# Allegro board 8880F5-0827_6.brd (continued)
## Placement (name value [footprint] x y rotation side) (continued)
NOREF#821  -  []  66.26 287.84 90 top
NOREF#822  -  []  264.72 272.65 90 top
NOREF#823  -  []  300.11 273.24 90 top
NOREF#824  -  []  385.61 208.66 90 top
NOREF#825  -  []  468.85 257.36 90 top
NOREF#826  -  []  306.27 216.63 90 top
NOREF#827  -  []  376.15 192.88 90 top
NOREF#828  -  []  391.96 131.89 0 top
NOREF#829  -  []  425.7 144.98 90 top
NOREF#830  -  []  389.7 209.36 0 top
NOREF#831  -  []  388.43 163.64 0 top
NOREF#832  -  []  311.69 288.91 90 top
NOREF#833  -  []  309.51 193.69 0 top
NOREF#834  -  []  201.23 186.57 90 top
NOREF#835  -  []  339.46 288.86 90 top
NOREF#836  -  []  478.57 277.31 90 top
NOREF#837  -  []  209.23 191.22 90 top
NOREF#838  -  []  404.15 273.11 0 top
NOREF#839  -  []  201.23 204.09 90 top
NOREF#840  -  []  167.7 219.75 90 top
NOREF#841  -  []  388.66 139.89 0 top
NOREF#842  -  []  477.24 195.66 0 top
NOREF#843  -  []  184.47 173.11 90 top
NOREF#844  -  []  106.29 174.19 90 top
NOREF#845  -  []  184.47 260.9 90 top
NOREF#846  -  []  241.6 296.61 0 top
NOREF#847  -  []  317.05 288.86 0 top
NOREF#848  -  []  167.7 204.09 90 top
NOREF#849  -  []  306.71 131.64 0 top
NOREF#850  -  []  167.7 192.32 90 top
NOREF#851  -  []  250.49 224.74 90 top
NOREF#852  -  []  328.96 224.72 0 top
NOREF#853  -  []  217.41 273.24 0 top
NOREF#854  -  []  317.83 197.63 0 top
NOREF#855  -  []  511.59 293.82 90 top
NOREF#856  -  []  343.83 231.63 90 top
NOREF#857  -  []  259.59 133.29 90 top
NOREF#858  -  []  298.13 274.06 90 top
NOREF#859  -  []  119.95 195.15 0 top
NOREF#860  -  []  115.36 235.64 0 top
NOREF#861  -  []  298.16 177.06 0 top
NOREF#862  -  []  314.2 145.6 90 top
NOREF#863  -  []  336.77 223.82 90 top
NOREF#864  -  []  201.66 186.02 90 top
NOREF#865  -  []  450.03 182.17 0 top
NOREF#866  -  []  373.68 265.11 0 top
NOREF#867  -  []  272.24 243.59 90 top
NOREF#868  -  []  209.23 205.19 90 top
NOREF#869  -  []  217.41 273.24 90 top
NOREF#870  -  []  461.96 210.36 0 top
NOREF#871  -  []  342.68 223.52 90 top
NOREF#872  -  []  377.48 289.17 90 top
NOREF#873  -  []  407.77 255.47 0 top
NOREF#874  -  []  262.04 164.72 0 top
NOREF#875  -  []  248.96 224.74 0 top
NOREF#876  -  []  343.63 165.04 90 top
NOREF#877  -  []  184.47 217.55 90 top
NOREF#878  -  []  155.57 289.11 90 top
NOREF#879  -  []  250.17 165.04 90 top
NOREF#880  -  []  339.33 264.35 90 top
NOREF#881  -  []  182.57 158.5 0 top
NOREF#882  -  []  249.6 164.74 90 top
NOREF#883  -  []  459.28 168.33 90 top
NOREF#884  -  []  222.11 240.71 0 top
NOREF#885  -  []  333.4 264.35 90 top
NOREF#886  -  []  118.96 174.04 90 top
NOREF#887  -  []  408.37 258.64 90 top
NOREF#888  -  []  473.79 234.49 90 top
NOREF#889  -  []  259.33 265.55 0 top
NOREF#890  -  []  275.3 155.38 0 top
NOREF#891  -  []  167.7 165.4 90 top
NOREF#892  -  []  351.04 185.5 0 top
NOREF#893  -  []  321.82 227.13 90 top
NOREF#894  -  []  410.52 241.11 0 top
NOREF#895  -  []  251.62 265.55 0 top
NOREF#896  -  []  417.7 146.88 0 top
NOREF#897  -  []  422.7 163.64 0 top
NOREF#898  -  []  253.53 140.14 0 top
NOREF#899  -  []  369.38 224.6 0 top
NOREF#900  -  []  272.25 182.32 90 top
NOREF#901  -  []  209.23 243.88 90 top
NOREF#902  -  []  336.45 164.74 0 top
NOREF#903  -  []  302.32 144.15 0 top
NOREF#904  -  []  405.5 225.11 90 top
NOREF#905  -  []  260.83 174.63 90 top
NOREF#906  -  []  192.47 175.56 90 top
NOREF#907  -  []  313.22 288.41 90 top
NOREF#908  -  []  127.55 219.13 90 top
NOREF#909  -  []  254.29 205.56 90 top
NOREF#910  -  []  121.9 238.84 0 top
NOREF#911  -  []  184.47 165.4 90 top
NOREF#912  -  []  175.7 182.06 90 top
NOREF#913  -  []  175.8 133.97 90 top
NOREF#914  -  []  468.01 179.15 0 top
NOREF#915  -  []  192.47 216.45 90 top
NOREF#916  -  []  251.05 264.65 90 top
NOREF#917  -  []  342.04 224.74 0 top
NOREF#918  -  []  175.7 137.37 90 top
NOREF#919  -  []  376.23 209.11 0 top
NOREF#920  -  []  406.65 287.22 90 top
NOREF#921  -  []  254.29 204.35 90 top
NOREF#922  -  []  310.73 186.66 0 top
NOREF#923  -  []  166.06 257.62 90 top
NOREF#924  -  []  185.2 292.55 90 top
NOREF#925  -  []  98.53 238.84 0 top
NOREF#926  -  []  184.89 172.56 90 top
NOREF#927  -  []  271.04 244.23 0 top
NOREF#928  -  []  351.83 288.91 90 top
NOREF#929  -  []  352.24 249.18 90 top
NOREF#930  -  []  300.01 288.31 90 top
NOREF#931  -  []  412.88 139.89 0 top
NOREF#932  -  []  184.47 147.28 90 top
NOREF#933  -  []  247.25 265.55 0 top
NOREF#934  -  []  378.75 224.05 90 top
NOREF#935  -  []  184.47 233.47 90 top
NOREF#936  -  []  352.25 242.32 90 top
NOREF#937  -  []  253.53 140.14 0 top
NOREF#938  -  []  371.48 249.11 0 top
NOREF#939  -  []  201.23 233.47 90 top
NOREF#940  -  []  377.23 224.65 90 top
NOREF#941  -  []  473.79 196.21 0 top
NOREF#942  -  []  352.55 189.5 0 top
NOREF#943  -  []  471.21 168.33 90 top
NOREF#944  -  []  404.15 289.12 0 top
NOREF#945  -  []  410.27 257.37 0 top
NOREF#946  -  []  383.01 139.89 0 top
NOREF#947  -  []  246.23 173.13 0 top
NOREF#948  -  []  230.43 249.52 0 top
NOREF#949  -  []  463.11 186.77 0 top
NOREF#950  -  []  339.65 265.86 90 top
NOREF#951  -  []  380.59 255.21 0 top
NOREF#952  -  []  331.38 163.52 90 top
NOREF#953  -  []  411.52 146.33 90 top
NOREF#954  -  []  471.21 219.38 90 top
NOREF#955  -  []  112.41 214.71 0 top
NOREF#956  -  []  385.19 224.85 0 top
NOREF#957  -  []  393.19 271.21 90 top
NOREF#958  -  []  310.41 248.88 90 top
NOREF#959  -  []  310.43 183.09 0 top
NOREF#960  -  []  209.23 230.17 90 top
NOREF#961  -  []  390.94 273.16 90 top
NOREF#962  -  []  116.01 214.71 0 top
NOREF#963  -  []  247.25 204.35 90 top
NOREF#964  -  []  218.16 248.49 0 top
NOREF#965  -  []  251.62 264.35 90 top
NOREF#966  -  []  397.57 131.89 0 top
NOREF#967  -  []  383.09 257.11 0 top
NOREF#968  -  []  263.31 224.72 0 top
NOREF#969  -  []  247.25 205.55 0 top
NOREF#970  -  []  383.09 224.85 0 top
NOREF#971  -  []  201.23 231.27 90 top
NOREF#972  -  []  337.9 186.99 0 top
NOREF#973  -  []  297.71 276.09 0 top
NOREF#974  -  []  387.8 210.63 90 top
NOREF#975  -  []  415.6 146.88 0 top
NOREF#976  -  []  402.14 146.88 0 top
NOREF#977  -  []  182.82 243.9 90 top
NOREF#978  -  []  423.45 146.93 90 top
NOREF#979  -  []  318.32 131.64 0 top
NOREF#980  -  []  420.15 131.34 90 top
NOREF#981  -  []  468.01 214.96 0 top
NOREF#982  -  []  172.08 291.65 90 top
NOREF#983  -  []  223.56 173.86 90 top
NOREF#984  -  []  259.33 205.55 0 top
NOREF#985  -  []  300.36 248.49 0 top
NOREF#986  -  []  275.12 271.65 90 top
NOREF#987  -  []  237.98 225.04 90 top
NOREF#988  -  []  263.95 223.52 90 top
NOREF#989  -  []  272.24 183.59 90 top
NOREF#990  -  []  330.74 164.74 0 top
NOREF#991  -  []  374.34 210.38 90 top
NOREF#992  -  []  250.5 288.86 0 top
NOREF#993  -  []  383.09 257.11 0 top
NOREF#994  -  []  106.76 222.88 0 top
NOREF#995  -  []  460.93 225.6 90 top
NOREF#996  -  []  388.35 217.36 0 top
NOREF#997  -  []  184.47 204.09 90 top
NOREF#998  -  []  453.88 239.34 0 top
NOREF#999  -  []  397.38 163.64 90 top
NOREF#1000  -  []  167.7 241.43 0 top
NOREF#1001  -  []  375.73 196.98 90 top
NOREF#1002  -  []  119.95 187.53 0 top
NOREF#1003  -  []  375.73 194.78 90 top
NOREF#1004  -  []  322.62 139.64 0 top
NOREF#1005  -  []  284.79 272.65 90 top
NOREF#1006  -  []  118.7 188.08 0 top
NOREF#1007  -  []  247.89 264.35 90 top
NOREF#1008  -  []  450.03 182.17 0 top
NOREF#1009  -  []  322.23 173.13 90 top
NOREF#1010  -  []  230.41 186.34 90 top
NOREF#1011  -  []  120.24 171.1 0 top
NOREF#1012  -  []  555.66 300.54 90 top
NOREF#1013  -  []  122.15 187.53 0 top
NOREF#1014  -  []  167.7 138.47 90 top
NOREF#1015  -  []  351.58 288.86 0 top
NOREF#1016  -  []  317.57 209.63 90 top
NOREF#1017  -  []  380.59 222.95 0 top
NOREF#1018  -  []  165.8 171.96 90 top
NOREF#1019  -  []  386.53 148.15 90 top
NOREF#1020  -  []  217.41 213.24 0 top
NOREF#1021  -  []  295.96 248.49 0 top
NOREF#1022  -  []  271.04 189.82 0 top
NOREF#1023  -  []  303.84 288.86 0 top
NOREF#1024  -  []  383.73 202.38 90 top
NOREF#1025  -  []  177.33 133.47 90 top
NOREF#1026  -  []  312.25 211.67 90 top
NOREF#1027  -  []  424.47 163.09 90 top
NOREF#1028  -  []  295.96 188.49 0 top
NOREF#1029  -  []  379 288.57 90 top
NOREF#1030  -  []  167.7 260.9 90 top
NOREF#1031  -  []  230.41 183.09 90 top
NOREF#1032  -  []  182.57 144.78 90 top
NOREF#1033  -  []  199.33 226.57 0 top
NOREF#1034  -  []  351.04 189.82 0 top
NOREF#1035  -  []  310.73 189.2 0 top
NOREF#1036  -  []  175.7 175.56 90 top
NOREF#1037  -  []  199.33 185.42 90 top
NOREF#1038  -  []  258.2 246.67 0 top
NOREF#1039  -  []  475.04 239.09 0 top
NOREF#1040  -  []  167.7 217.55 90 top
NOREF#1041  -  []  184.89 240.88 90 top
NOREF#1042  -  []  413.96 182.44 90 top
NOREF#1043  -  []  334.29 264.35 90 top
NOREF#1044  -  []  415.61 185.72 90 top
NOREF#1045  -  []  306.92 154.05 0 top
NOREF#1046  -  []  230.43 188.88 0 top
NOREF#1047  -  []  375.22 163.39 0 top
NOREF#1048  -  []  238.45 257.01 0 top
NOREF#1049  -  []  459.28 236.14 90 top
NOREF#1050  -  []  254.29 205.55 0 top
NOREF#1051  -  []  192.47 259.8 90 top
NOREF#1052  -  []  343.31 164.72 0 top
NOREF#1053  -  []  303.56 245.29 90 top
NOREF#1054  -  []  275.28 290.13 90 top
NOREF#1055  -  []  390.94 289.17 90 top
NOREF#1056  -  []  263.95 164.74 90 top
NOREF#1057  -  []  247.25 265.55 0 top
NOREF#1058  -  []  201.49 149.73 90 top
NOREF#1059  -  []  230.43 246.34 90 top
NOREF#1060  -  []  310.41 246.34 90 top
NOREF#1061  -  []  209.33 228.97 90 top
NOREF#1062  -  []  225.83 264.31 0 top
NOREF#1063  -  []  412.62 249.11 0 top
NOREF#1064  -  []  250.73 205.55 0 top
NOREF#1065  -  []  175.7 177.76 90 top
NOREF#1066  -  []  377.32 163.39 0 top
NOREF#1067  -  []  352.55 242.64 0 top
NOREF#1068  -  []  229.51 253.69 0 top
NOREF#1069  -  []  284.36 280.1 0 top
NOREF#1070  -  []  262.04 224.72 0 top
NOREF#1071  -  []  272.25 242.32 90 top
NOREF#1072  -  []  319.33 236.03 0 top
NOREF#1073  -  []  165.8 158.5 90 top
NOREF#1074  -  []  261.82 290.13 90 top
NOREF#1075  -  []  106.36 190.55 0 top
NOREF#1076  -  []  412.79 209.06 90 top
NOREF#1077  -  []  483.04 195.66 0 top
NOREF#1078  -  []  106.03 217.88 90 top
NOREF#1079  -  []  253.72 265.86 90 top
NOREF#1080  -  []  424.55 146.88 90 top
NOREF#1081  -  []  310.43 193.37 90 top
NOREF#1082  -  []  314.55 286.96 0 top
NOREF#1083  -  []  237.2 296.61 0 top
NOREF#1084  -  []  412.37 265.37 0 top
NOREF#1085  -  []  93.76 287.84 90 top
NOREF#1086  -  []  410.78 131.89 0 top
NOREF#1087  -  []  396.03 180.15 0 top
NOREF#1088  -  []  392.73 171.64 0 top
NOREF#1089  -  []  407.71 217.61 0 top
NOREF#1090  -  []  334.29 265.56 90 top
NOREF#1091  -  []  175.7 243.88 90 top
NOREF#1092  -  []  112.05 246.78 90 top
NOREF#1093  -  []  327.57 204.65 90 top
NOREF#1094  -  []  404.15 241.11 0 top
NOREF#1095  -  []  184.47 255.15 90 top
NOREF#1096  -  []  371.48 241.11 0 top
NOREF#1097  -  []  380.59 287.22 0 top
NOREF#1098  -  []  182.57 158.5 90 top
NOREF#1099  -  []  453.88 230.2 0 top
NOREF#1100  -  []  165.8 199.39 90 top
NOREF#1101  -  []  383.07 163.44 90 top
NOREF#1102  -  []  472.86 166.93 90 top
NOREF#1103  -  []  352.25 181.69 0 top
NOREF#1104  -  []  283.91 273.37 90 top
NOREF#1105  -  []  211.11 160.4 90 top
NOREF#1106  -  []  192.57 215.25 90 top
NOREF#1107  -  []  221.56 242.89 0 top
NOREF#1108  -  []  478.57 274.77 90 top
NOREF#1109  -  []  377.32 171.39 0 top
NOREF#1110  -  []  167.7 192.32 90 top
NOREF#1111  -  []  302.11 240.71 0 top
NOREF#1112  -  []  320.83 194.63 0 top
NOREF#1113  -  []  470.79 128.27 0 top
NOREF#1114  -  []  400.24 202.38 90 top
NOREF#1115  -  []  339.33 265.55 0 top
NOREF#1116  -  []  306.83 269.63 90 top
NOREF#1117  -  []  217.71 216.09 0 top
NOREF#1118  -  []  250.73 264.35 90 top
NOREF#1119  -  []  462.06 277.31 90 top
NOREF#1120  -  []  331.22 193.63 0 top
NOREF#1121  -  []  118.45 226.62 90 top
NOREF#1122  -  []  296.96 180.71 0 top
NOREF#1123  -  []  184.47 206.29 90 top
NOREF#1124  -  []  420.62 239.21 90 top
NOREF#1125  -  []  184.47 163.2 90 top
NOREF#1126  -  []  377.23 273.11 0 top
NOREF#1127  -  []  417.2 163.64 0 top
NOREF#1128  -  []  339.89 288.31 90 top
NOREF#1129  -  []  166.06 175.58 90 top
NOREF#1130  -  []  418.37 241.16 90 top
NOREF#1131  -  []  400.85 265.37 0 top
NOREF#1132  -  []  470.71 183.57 90 top
NOREF#1133  -  []  423.2 146.88 0 top
NOREF#1134  -  []  263.2 232.26 90 top
NOREF#1135  -  []  256.45 164.74 0 top
NOREF#1136  -  []  465.45 292.92 90 top
NOREF#1137  -  []  331.54 252.73 90 top
NOREF#1138  -  []  390.69 241.11 0 top
NOREF#1139  -  []  272.25 243.59 90 top
NOREF#1140  -  []  94.93 190.55 0 top
NOREF#1141  -  []  419.9 288.67 90 top
NOREF#1142  -  []  396.55 273.11 0 top
NOREF#1143  -  []  403.41 209.61 0 top
NOREF#1144  -  []  117.26 190.55 90 top
NOREF#1145  -  []  223.56 245.29 90 top
NOREF#1146  -  []  478.57 259.9 90 top
NOREF#1147  -  []  331.05 264.65 90 top
NOREF#1148  -  []  110.21 222.33 0 top
NOREF#1149  -  []  209.49 168.6 90 top
NOREF#1150  -  []  120.21 178.64 0 top
NOREF#1151  -  []  167.7 231.27 90 top
NOREF#1152  -  []  319.15 296.86 0 top
NOREF#1153  -  []  201.23 229.07 90 top
NOREF#1154  -  []  369.63 289.12 0 top
NOREF#1155  -  []  397.8 179.6 90 top
NOREF#1156  -  []  400.54 188.15 0 top
NOREF#1157  -  []  453.88 214.96 0 top
NOREF#1158  -  []  383.09 257.11 0 top
NOREF#1159  -  []  290.64 288.86 0 top
NOREF#1160  -  []  410.52 273.37 0 top
NOREF#1161  -  []  392.04 241.11 90 top
NOREF#1162  -  []  317.05 288.86 0 top
NOREF#1163  -  []  115.61 191.95 90 top
NOREF#1164  -  []  110.21 214.71 0 top
NOREF#1165  -  []  249.6 224.74 90 top
NOREF#1166  -  []  272.25 244.86 90 top
NOREF#1167  -  []  184.47 200.54 0 top
NOREF#1168  -  []  252.51 205.56 90 top
NOREF#1169  -  []  408.02 287.22 0 top
NOREF#1170  -  []  451.64 179.06 0 top
NOREF#1171  -  []  473.6 162.62 90 top
NOREF#1172  -  []  127.3 235.64 90 top
NOREF#1173  -  []  495.08 259.9 90 top
NOREF#1174  -  []  456.08 171.53 0 top
NOREF#1175  -  []  230.73 193.69 0 top
NOREF#1176  -  []  394.05 239.21 0 top
NOREF#1177  -  []  397.38 146.88 90 top
NOREF#1178  -  []  182.82 203.01 90 top
NOREF#1179  -  []  352.24 189.18 90 top
NOREF#1180  -  []  230.73 253.69 0 top
NOREF#1181  -  []  342.04 164.72 0 top
NOREF#1182  -  []  124.35 195.15 0 top
NOREF#1183  -  []  118.7 195.7 0 top
NOREF#1184  -  []  229.51 249.2 0 top
NOREF#1185  -  []  330.17 163.82 90 top
NOREF#1186  -  []  313.98 131.09 90 top
NOREF#1187  -  []  201.91 172.56 90 top
NOREF#1188  -  []  412.79 209.16 90 top
NOREF#1189  -  []  182.82 148.4 90 top
NOREF#1190  -  []  369.38 241.11 0 top
NOREF#1191  -  []  407.67 129.99 90 top
NOREF#1192  -  []  259.33 264.35 90 top
NOREF#1193  -  []  229.21 246.34 0 top
NOREF#1194  -  []  257.9 186.35 90 top
NOREF#1195  -  []  251.94 204.65 90 top
NOREF#1196  -  []  119.7 231.22 0 top
NOREF#1197  -  []  112.16 238.84 0 top
NOREF#1198  -  []  317.66 164.72 0 top
NOREF#1199  -  []  465.45 273.87 90 top
NOREF#1200  -  []  383.83 194.68 90 top
NOREF#1201  -  []  423.61 184.62 90 top
NOREF#1202  -  []  424.98 146.43 90 top
NOREF#1203  -  []  252.51 265.55 0 top
NOREF#1204  -  []  369.38 241.11 0 top
NOREF#1205  -  []  415.61 179.97 0 top
NOREF#1206  -  []  419.64 256.82 90 top
NOREF#1207  -  []  210.86 228.47 90 top
NOREF#1208  -  []  396.55 289.12 0 top
NOREF#1209  -  []  230.41 193.37 90 top
NOREF#1210  -  []  352.24 241.05 90 top
NOREF#1211  -  []  329.6 164.74 90 top
NOREF#1212  -  []  165.8 185.42 90 top
NOREF#1213  -  []  175.8 242.68 90 top
NOREF#1214  -  []  333.72 204.65 90 top
NOREF#1215  -  []  330.49 163.52 90 top
NOREF#1216  -  []  165.8 254 0 top
NOREF#1217  -  []  338.2 246.67 0 top
NOREF#1218  -  []  377.48 273.16 90 top
NOREF#1219  -  []  396.55 289.12 0 top
NOREF#1220  -  []  343.83 171.63 90 top
NOREF#1221  -  []  115.19 128.27 0 top
NOREF#1222  -  []  301.56 242.89 0 top
NOREF#1223  -  []  409.17 249.11 0 top
NOREF#1224  -  []  113.08 129.54 0 top
NOREF#1225  -  []  199.59 158.5 0 top
NOREF#1226  -  []  239.33 243.63 90 top
NOREF#1227  -  []  408.02 271.47 0 top
NOREF#1228  -  []  257.9 246.99 0 top
NOREF#1229  -  []  369.63 273.11 0 top
NOREF#1230  -  []  320.83 254.63 0 top
NOREF#1231  -  []  167.7 132.72 0 top
NOREF#1232  -  []  101.82 271.33 90 top
NOREF#1233  -  []  375.22 163.39 0 top
NOREF#1234  -  []  127.55 184.33 90 top
NOREF#1235  -  []  309.51 246.66 0 top
NOREF#1236  -  []  221.56 231.46 0 top
NOREF#1237  -  []  310.73 249.2 0 top
NOREF#1238  -  []  199.84 175.58 90 top
NOREF#1239  -  []  327.25 265.55 0 top
NOREF#1240  -  []  352.24 244.86 90 top
NOREF#1241  -  []  118.45 239.39 0 top
NOREF#1242  -  []  168.69 292.55 90 top
NOREF#1243  -  []  215.96 237.06 0 top
NOREF#1244  -  []  259.97 264.35 90 top
NOREF#1245  -  []  215.96 248.49 0 top
NOREF#1246  -  []  272.55 241.37 0 top
NOREF#1247  -  []  511.59 276.41 90 top
NOREF#1248  -  []  400.91 207.71 0 top
NOREF#1249  -  []  249.6 163.52 90 top
NOREF#1250  -  []  167.7 255.15 0 top
NOREF#1251  -  []  230.43 187.61 90 top
NOREF#1252  -  []  459.24 175.86 90 top
NOREF#1253  -  []  175.8 215.25 90 top
NOREF#1254  -  []  250.73 265.56 0 top
NOREF#1255  -  []  310.43 187.61 0 top
NOREF#1256  -  []  250.5 288.86 0 top
NOREF#1257  -  []  252.83 205.86 90 top
NOREF#1258  -  []  314.92 144.15 90 top
NOREF#1259  -  []  352.55 185.18 0 top
NOREF#1260  -  []  450.03 225.6 0 top
NOREF#1261  -  []  408.02 239.21 0 top
NOREF#1262  -  []  221.56 190.49 0 top
NOREF#1263  -  []  167.7 229.07 90 top
NOREF#1264  -  []  230.43 248.88 90 top
NOREF#1265  -  []  272.25 249.18 90 top
NOREF#1266  -  []  331.86 192.43 90 top
NOREF#1267  -  []  471.21 219.38 0 top
NOREF#1268  -  []  263.71 288.86 0 top
NOREF#1269  -  []  451.68 186.77 0 top
NOREF#1270  -  []  301.56 179.06 0 top
NOREF#1271  -  []  317.83 257.63 0 top
NOREF#1272  -  []  310.41 247.61 90 top
NOREF#1273  -  []  340.83 234.63 90 top
NOREF#1274  -  []  208.98 264.1 90 top
NOREF#1275  -  []  231.15 159.63 90 top
NOREF#1276  -  []  331.62 265.55 0 top
NOREF#1277  -  []  302.11 180.71 0 top
NOREF#1278  -  []  416.03 179.42 90 top
NOREF#1279  -  []  226.83 209.63 90 top
NOREF#1280  -  []  394.05 223.21 0 top
NOREF#1281  -  []  182.57 212.85 90 top
NOREF#1282  -  []  306.83 209.63 90 top
NOREF#1283  -  []  415.61 181.32 90 top
NOREF#1284  -  []  554.86 298.45 0 top
NOREF#1285  -  []  273.59 272.15 90 top
NOREF#1286  -  []  259.33 205.56 90 top
NOREF#1287  -  []  336.77 225.04 90 top
NOREF#1288  -  []  239.33 183.63 90 top
NOREF#1289  -  []  559.43 297.18 90 top
NOREF#1290  -  []  201.91 145.63 90 top
NOREF#1291  -  []  327.57 264.65 90 top
NOREF#1292  -  []  398.65 257.37 0 top
NOREF#1293  -  []  301.95 290.13 90 top
NOREF#1294  -  []  209.23 222.95 90 top
NOREF#1295  -  []  184.47 229.07 90 top
NOREF#1296  -  []  310.43 187.61 90 top
NOREF#1297  -  []  209.49 182.06 90 top
NOREF#1298  -  []  228.36 202.16 45 top
NOREF#1299  -  []  405.93 240.66 90 top
NOREF#1300  -  []  450.03 166.93 0 top
NOREF#1301  -  []  423.61 188.92 90 top
NOREF#1302  -  []  256.77 225.04 90 top
NOREF#1303  -  []  383.09 289.12 0 top
NOREF#1304  -  []  273.09 288.41 90 top
NOREF#1305  -  []  184.47 149.48 90 top
NOREF#1306  -  []  108.01 222.33 0 top
NOREF#1307  -  []  168.13 254.6 90 top
NOREF#1308  -  []  184.47 206.29 90 top
NOREF#1309  -  []  108.01 195.15 0 top
NOREF#1310  -  []  168.13 145.38 90 top
NOREF#1311  -  []  184.47 159.65 0 top
NOREF#1312  -  []  352.25 185.5 0 top
NOREF#1313  -  []  394.66 258.64 90 top
NOREF#1314  -  []  184.47 187.92 90 top
NOREF#1315  -  []  239.33 176.03 0 top
NOREF#1316  -  []  165.8 131.57 90 top
NOREF#1317  -  []  221.87 295.91 0 top
NOREF#1318  -  []  175.7 264.1 90 top
NOREF#1319  -  []  184.47 178.86 90 top
NOREF#1320  -  []  194.09 187.32 90 top
NOREF#1321  -  []  310.43 188.88 90 top
NOREF#1322  -  []  459.24 219.3 0 top
NOREF#1323  -  []  388.43 146.88 0 top
NOREF#1324  -  []  384.36 131.89 0 top
NOREF#1325  -  []  230.73 253.69 0 top
NOREF#1326  -  []  230.73 247.93 0 top
NOREF#1327  -  []  110.21 195.15 0 top
NOREF#1328  -  []  219.81 273.69 90 top
NOREF#1329  -  []  412.62 273.37 0 top
NOREF#1330  -  []  330.49 224.74 90 top
NOREF#1331  -  []  310.73 187.93 0 top
NOREF#1332  -  []  384.08 209.16 90 top
NOREF#1333  -  []  482.64 235.89 90 top
NOREF#1334  -  []  401.87 194.18 90 top
NOREF#1335  -  []  251.38 224.74 90 top
NOREF#1336  -  []  412.37 257.37 0 top
NOREF#1337  -  []  331.06 165.04 90 top
NOREF#1338  -  []  222.11 192.14 0 top
NOREF#1339  -  []  334.29 204.35 90 top
NOREF#1340  -  []  330.74 224.72 0 top
NOREF#1341  -  []  419.9 240.66 90 top
NOREF#1342  -  []  259.65 264.65 90 top
NOREF#1343  -  []  201.23 233.47 90 top
NOREF#1344  -  []  339.33 205.56 0 top
NOREF#1345  -  []  230.43 193.37 0 top
NOREF#1346  -  []  112.41 195.15 0 top
NOREF#1347  -  []  325.92 131.64 0 top
NOREF#1348  -  []  298.13 274.06 0 top
NOREF#1349  -  []  247.25 205.56 90 top
NOREF#1350  -  []  369.38 224.6 0 top
NOREF#1351  -  []  552.76 299.72 0 top
NOREF#1352  -  []  461.86 187.32 0 top
NOREF#1353  -  []  230.43 254.01 0 top
NOREF#1354  -  []  184.47 200.54 90 top
NOREF#1355  -  []  167.7 242.78 90 top
NOREF#1356  -  []  317.05 288.86 0 top
NOREF#1357  -  []  449.99 217.9 0 top
NOREF#1358  -  []  250.18 242.88 0 top
NOREF#1359  -  []  475.04 239.09 0 top
NOREF#1360  -  []  250.23 132.14 0 top
NOREF#1361  -  []  461.96 217.98 0 top
NOREF#1362  -  []  75.98 273.87 90 top
NOREF#1363  -  []  334.29 265.55 0 top
NOREF#1364  -  []  306.27 156.63 90 top
NOREF#1365  -  []  331.38 224.74 90 top
NOREF#1366  -  []  482.64 192.46 90 top
NOREF#1367  -  []  390.94 224.9 90 top
NOREF#1368  -  []  192.47 205.19 90 top
NOREF#1369  -  []  410.78 131.89 0 top
NOREF#1370  -  []  272.25 189.82 0 top
NOREF#1371  -  []  271.34 183.91 0 top
NOREF#1372  -  []  410.27 257.37 0 top
NOREF#1373  -  []  373.93 297.12 0 top
NOREF#1374  -  []  379.48 255.21 90 top
NOREF#1375  -  []  249.85 164.74 0 top
NOREF#1376  -  []  184.47 161 90 top
NOREF#1377  -  []  199.33 212.85 90 top
NOREF#1378  -  []  403.99 188.15 0 top
NOREF#1379  -  []  399.07 208.81 90 top
NOREF#1380  -  []  247.57 264.65 90 top
NOREF#1381  -  []  165.8 185.42 0 top
NOREF#1382  -  []  120.24 171.1 0 top
NOREF#1383  -  []  423.71 181.22 90 top
NOREF#1384  -  []  253.33 181.33 90 top
NOREF#1385  -  []  272.24 249.18 90 top
NOREF#1386  -  []  381.74 232.85 0 top
NOREF#1387  -  []  260.74 135.19 90 top
NOREF#1388  -  []  184.89 199.99 90 top
NOREF#1389  -  []  192.47 250.38 90 top
NOREF#1390  -  []  84.04 290.38 90 top
NOREF#1391  -  []  463.61 179.15 0 top
NOREF#1392  -  []  108.01 214.71 0 top
NOREF#1393  -  []  254.61 265.86 90 top
NOREF#1394  -  []  385.19 273.11 0 top
NOREF#1395  -  []  253.33 241.33 90 top
NOREF#1396  -  []  167.7 178.86 90 top
NOREF#1397  -  []  271.56 134.74 90 top
NOREF#1398  -  []  175.8 201.79 90 top
NOREF#1399  -  []  388.43 146.88 0 top
NOREF#1400  -  []  396.28 146.93 90 top
NOREF#1401  -  []  261.63 173.83 90 top
NOREF#1402  -  []  229.21 187.61 0 top
NOREF#1403  -  []  265.81 288.86 0 top
NOREF#1404  -  []  230.43 253.37 0 top
NOREF#1405  -  []  320.42 139.64 0 top
NOREF#1406  -  []  115.87 167.82 90 top
NOREF#1407  -  []  331.94 264.65 90 top
NOREF#1408  -  []  327.25 205.55 0 top
NOREF#1409  -  []  352.25 182.32 90 top
NOREF#1410  -  []  419.9 272.82 90 top
NOREF#1411  -  []  293.66 272.15 90 top
NOREF#1412  -  []  495.08 277.31 90 top
NOREF#1413  -  []  410.27 257.37 0 top
NOREF#1414  -  []  394.05 271.21 0 top
NOREF#1415  -  []  175.7 154.88 90 top
NOREF#1416  -  []  330.74 164.72 0 top
NOREF#1417  -  []  385.19 241.11 0 top
NOREF#1418  -  []  329.85 224.74 0 top
NOREF#1419  -  []  311.44 288.86 0 top
NOREF#1420  -  []  404.4 289.17 90 top
NOREF#1421  -  []  327.89 264.35 90 top
NOREF#1422  -  []  103.93 235.64 0 top
NOREF#1423  -  []  417.87 257.37 0 top
NOREF#1424  -  []  392.47 240.56 90 top
NOREF#1425  -  []  410.52 241.11 0 top
NOREF#1426  -  []  331.62 265.56 90 top
NOREF#1427  -  []  310.73 193.69 0 top
NOREF#1428  -  []  117.01 234.24 90 top
NOREF#1429  -  []  300.36 188.49 0 top
NOREF#1430  -  []  369.38 257.11 0 top
NOREF#1431  -  []  155.57 272.6 90 top
NOREF#1432  -  []  230.73 249.2 0 top
NOREF#1433  -  []  200.98 255.15 0 top
NOREF#1434  -  []  252.83 265.86 90 top
NOREF#1435  -  []  226.27 216.63 90 top
NOREF#1436  -  []  259.65 265.86 90 top
NOREF#1437  -  []  352.25 245.5 0 top
NOREF#1438  -  []  393.19 239.21 90 top
NOREF#1439  -  []  238.45 197.01 0 top
NOREF#1440  -  []  167.7 165.4 90 top
NOREF#1441  -  []  272.24 189.18 90 top
NOREF#1442  -  []  303.56 173.86 90 top
NOREF#1443  -  []  107.02 171.57 0 top
NOREF#1444  -  []  388.43 180.15 0 top
NOREF#1445  -  []  392.47 224.4 90 top
NOREF#1446  -  []  368.03 232.6 0 top
NOREF#1447  -  []  167.7 186.57 90 top
NOREF#1448  -  []  306.85 271.67 0 top
NOREF#1449  -  []  246.63 142.04 0 top
NOREF#1450  -  []  124.64 171.1 0 top
NOREF#1451  -  []  330.17 225.04 90 top
NOREF#1452  -  []  300.36 237.06 0 top
NOREF#1453  -  []  330.73 264.35 90 top
NOREF#1454  -  []  376.98 224.6 0 top
NOREF#1455  -  []  415.61 183.52 90 top
NOREF#1456  -  []  298.49 288.91 90 top
NOREF#1457  -  []  396.55 225.11 0 top
NOREF#1458  -  []  331.05 205.86 90 top
NOREF#1459  -  []  115.87 175.44 90 top
NOREF#1460  -  []  468.01 171.53 0 top
NOREF#1461  -  []  310.43 183.09 90 top
NOREF#1462  -  []  75.98 287.84 90 top
NOREF#1463  -  []  333.4 265.56 90 top
NOREF#1464  -  []  369.63 289.12 0 top
NOREF#1465  -  []  119.95 222.33 0 top
NOREF#1466  -  []  119.95 187.53 0 top
NOREF#1467  -  []  194.09 214.75 90 top
NOREF#1468  -  []  400.24 195.88 90 top
NOREF#1469  -  []  303.15 271.32 90 top
NOREF#1470  -  []  412.62 241.11 0 top
NOREF#1471  -  []  249.28 165.04 90 top
NOREF#1472  -  []  184.47 151.68 90 top
NOREF#1473  -  []  167.7 247.18 90 top
NOREF#1474  -  []  308.14 296.86 0 top
NOREF#1475  -  []  332.51 205.55 0 top
NOREF#1476  -  []  483.04 239.09 0 top
NOREF#1477  -  []  456.08 195.91 0 top
NOREF#1478  -  []  383.09 241.11 0 top
NOREF#1479  -  []  248.96 164.72 0 top
NOREF#1480  -  []  448.94 273.87 90 top
NOREF#1481  -  []  326.23 233.13 0 top
NOREF#1482  -  []  119.76 127 90 top
NOREF#1483  -  []  298.24 288.86 0 top
NOREF#1484  -  []  218.13 274.06 90 top
NOREF#1485  -  []  330.49 223.52 90 top
NOREF#1486  -  []  398.65 241.11 0 top
NOREF#1487  -  []  339.33 204.35 90 top
NOREF#1488  -  []  96.58 195.15 0 top
NOREF#1489  -  []  420.62 287.22 90 top
NOREF#1490  -  []  247.57 204.65 90 top
NOREF#1491  -  []  295.96 188.49 0 top
NOREF#1492  -  []  201.23 214 0 top
NOREF#1493  -  []  106.18 160.58 90 top
NOREF#1494  -  []  165.8 226.57 0 top
NOREF#1495  -  []  354.27 134.07 90 top
NOREF#1496  -  []  230.73 246.66 0 top
NOREF#1497  -  []  251.05 205.86 90 top
NOREF#1498  -  []  185.2 290.01 90 top
NOREF#1499  -  []  120.21 178.64 0 top
NOREF#1500  -  []  384.59 162.94 90 top
NOREF#1501  -  []  247.57 265.86 90 top
NOREF#1502  -  []  96.58 195.15 0 top
NOREF#1503  -  []  237.98 165.04 90 top
NOREF#1504  -  []  167.7 163.2 90 top
NOREF#1505  -  []  346.27 130.77 90 top
NOREF#1506  -  []  395.2 297.12 0 top
NOREF#1507  -  []  257.09 164.74 90 top
NOREF#1508  -  []  396.55 257.37 0 top
NOREF#1509  -  []  229.21 247.61 0 top
NOREF#1510  -  []  166.06 135.19 90 top
NOREF#1511  -  []  251.54 192.73 90 top
NOREF#1512  -  []  456.04 179.06 0 top
NOREF#1513  -  []  175.7 205.19 90 top
NOREF#1514  -  []  406.65 239.21 90 top
NOREF#1515  -  []  333.4 265.55 0 top
NOREF#1516  -  []  263.14 282 0 top
NOREF#1517  -  []  237.98 163.82 90 top
NOREF#1518  -  []  385.93 161.74 0 top
NOREF#1519  -  []  392.24 193.43 0 top
NOREF#1520  -  []  271.04 249.82 0 top
NOREF#1521  -  []  394.46 129.99 90 top
NOREF#1522  -  []  259.33 265.56 90 top
NOREF#1523  -  []  230.73 186.66 0 top
NOREF#1524  -  []  411.52 146.43 90 top
NOREF#1525  -  []  199.59 230.19 90 top
NOREF#1526  -  []  272.25 242.96 0 top
NOREF#1527  -  []  290.64 288.86 0 top
NOREF#1528  -  []  409.17 281.37 0 top
NOREF#1529  -  []  93.76 273.87 90 top
NOREF#1530  -  []  314.71 129.74 90 top
NOREF#1531  -  []  385.93 178.25 0 top
NOREF#1532  -  []  192.47 182.06 90 top
NOREF#1533  -  []  327.25 265.55 0 top
NOREF#1534  -  []  112.41 222.33 0 top
NOREF#1535  -  []  415.1 163.64 0 top
NOREF#1536  -  []  351.04 181.69 0 top
NOREF#1537  -  []  396.22 139.89 0 top
NOREF#1538  -  []  265.64 280.1 0 top
NOREF#1539  -  []  352.24 242.32 90 top
NOREF#1540  -  []  459.28 168.33 0 top
NOREF#1541  -  []  336.45 224.72 0 top
NOREF#1542  -  []  182.82 216.47 90 top
NOREF#1543  -  []  167.7 190.12 90 top
NOREF#1544  -  []  403.99 163.64 0 top
NOREF#1545  -  []  333.4 205.56 0 top
NOREF#1546  -  []  412.24 144.98 90 top
NOREF#1547  -  []  459.28 192.71 90 top
NOREF#1548  -  []  372.72 178.25 0 top
NOREF#1549  -  []  297.41 213.24 90 top
NOREF#1550  -  []  223.15 211.32 90 top
NOREF#1551  -  []  341.63 233.83 90 top
NOREF#1552  -  []  104.18 191.95 0 top
NOREF#1553  -  []  411.26 209.66 90 top
NOREF#1554  -  []  259.88 288.41 90 top
NOREF#1555  -  []  396.55 273.11 0 top
NOREF#1556  -  []  167.7 255.15 90 top
NOREF#1557  -  []  182.57 199.39 0 top
NOREF#1558  -  []  393.19 287.22 90 top
NOREF#1559  -  []  295.96 177.06 0 top
NOREF#1560  -  []  461.96 210.36 0 top
NOREF#1561  -  []  106.76 217.73 90 top
NOREF#1562  -  []  165.8 254 90 top
NOREF#1563  -  []  406.19 171.64 0 top
NOREF#1564  -  []  300.74 286.96 90 top
NOREF#1565  -  []  383.09 273.11 0 top
NOREF#1566  -  []  352.25 241.05 90 top
NOREF#1567  -  []  201.49 165.4 90 top
NOREF#1568  -  []  218.13 214.06 90 top
NOREF#1569  -  []  310.43 253.37 0 top
NOREF#1570  -  []  392.47 256.56 90 top
NOREF#1571  -  []  101.29 247.16 90 top
NOREF#1572  -  []  234.33 168.13 90 top
NOREF#1573  -  []  327.7 131.09 90 top
NOREF#1574  -  []  342.68 224.74 90 top
NOREF#1575  -  []  184.47 173.11 0 top
NOREF#1576  -  []  201.23 242.78 90 top
NOREF#1577  -  []  302.11 129.74 0 top
NOREF#1578  -  []  400.85 297.12 0 top
NOREF#1579  -  []  302.71 132.91 90 top
NOREF#1580  -  []  518.38 257.36 90 top
NOREF#1581  -  []  201.23 227.72 0 top
NOREF#1582  -  []  240.83 194.63 0 top
NOREF#1583  -  []  172.08 275.14 90 top
NOREF#1584  -  []  177.33 255.9 90 top
NOREF#1585  -  []  412.62 297.12 0 top
NOREF#1586  -  []  390.69 224.85 0 top
NOREF#1587  -  []  310.73 249.2 0 top
NOREF#1588  -  []  259.97 204.35 90 top
NOREF#1589  -  []  167.7 145.93 90 top
NOREF#1590  -  []  465.45 290.38 90 top
NOREF#1591  -  []  412.88 131.89 0 top
NOREF#1592  -  []  420.62 271.47 90 top
NOREF#1593  -  []  222.11 180.71 0 top
NOREF#1594  -  []  327.57 264.65 90 top
NOREF#1595  -  []  380.53 217.11 0 top
NOREF#1596  -  []  256.45 224.74 0 top
NOREF#1597  -  []  478.57 257.36 90 top
NOREF#1598  -  []  182.57 226.57 90 top
NOREF#1599  -  []  254.29 265.56 90 top
NOREF#1600  -  []  165.8 240.28 0 top
NOREF#1601  -  []  412.6 161.74 0 top
NOREF#1602  -  []  210.86 214.75 90 top
NOREF#1603  -  []  251.38 163.52 90 top
NOREF#1604  -  []  403.99 171.64 0 top
NOREF#1605  -  []  229.05 271.67 0 top
NOREF#1606  -  []  167.7 132.72 90 top
NOREF#1607  -  []  229.51 187.93 0 top
NOREF#1608  -  []  252.51 205.55 0 top
NOREF#1609  -  []  201.49 165.4 90 top
NOREF#1610  -  []  175.7 246.08 90 top
NOREF#1611  -  []  201.4 254.6 90 top
NOREF#1612  -  []  175.8 256.4 90 top
NOREF#1613  -  []  201.23 244.98 90 top
NOREF#1614  -  []  420.88 129.99 90 top
NOREF#1615  -  []  419.4 171.64 0 top
NOREF#1616  -  []  310.73 189.2 0 top
NOREF#1617  -  []  230.73 193.69 0 top
NOREF#1618  -  []  264.29 280.1 0 top
NOREF#1619  -  []  390.53 171.64 0 top
NOREF#1620  -  []  339.33 205.56 90 top
NOREF#1621  -  []  400.79 154.88 0 top
NOREF#1622  -  []  175.7 259.8 90 top
NOREF#1623  -  []  238.3 224.74 90 top
NOREF#1624  -  []  397.57 131.89 0 top
NOREF#1625  -  []  273.95 147.38 90 top
NOREF#1626  -  []  387.08 171.64 0 top
NOREF#1627  -  []  250.49 163.52 90 top
NOREF#1628  -  []  385.32 178.25 90 top
NOREF#1629  -  []  310.73 193.69 0 top
NOREF#1630  -  []  167.7 161 90 top
NOREF#1631  -  []  218.16 188.49 0 top
NOREF#1632  -  []  320.94 151.63 90 top
NOREF#1633  -  []  119.7 231.22 0 top
NOREF#1634  -  []  118.33 273.87 90 top
NOREF#1635  -  []  119.95 195.15 0 top
NOREF#1636  -  []  451.68 239.34 0 top
NOREF#1637  -  []  478.57 291.28 90 top
NOREF#1638  -  []  184.47 219.75 90 top
NOREF#1639  -  []  376.98 241.11 0 top
NOREF#1640  -  []  249.6 223.52 90 top
NOREF#1641  -  []  184.47 165.4 90 top
NOREF#1642  -  []  247.25 265.56 0 top
NOREF#1643  -  []  224.65 271.67 0 top
NOREF#1644  -  []  167.7 233.47 90 top
NOREF#1645  -  []  327.25 265.56 0 top
NOREF#1646  -  []  192.47 191.22 90 top
NOREF#1647  -  []  332.51 265.55 0 top
NOREF#1648  -  []  266.49 143.19 0 top
NOREF#1649  -  []  184.47 215.35 90 top
NOREF#1650  -  []  264.29 143.19 0 top
NOREF#1651  -  []  317.66 224.74 0 top
NOREF#1652  -  []  411.01 209.61 0 top
NOREF#1653  -  []  463.61 222.58 0 top
NOREF#1654  -  []  399.67 139.89 0 top
NOREF#1655  -  []  352.24 184.86 90 top
NOREF#1656  -  []  399.39 178.25 0 top
NOREF#1657  -  []  230.43 186.34 0 top
NOREF#1658  -  []  248 286.96 0 top
NOREF#1659  -  []  462.06 293.82 90 top
NOREF#1660  -  []  322.23 173.13 0 top
NOREF#1661  -  []  354.08 286.96 90 top
NOREF#1662  -  []  331.06 163.82 90 top
NOREF#1663  -  []  310.43 248.88 90 top
NOREF#1664  -  []  199.59 203.01 90 top
NOREF#1665  -  []  351.04 241.69 0 top
NOREF#1666  -  []  118.74 215.34 0 top
NOREF#1667  -  []  192.47 189.02 90 top
NOREF#1668  -  []  124.35 187.53 0 top
NOREF#1669  -  []  297.83 234.63 90 top
NOREF#1670  -  []  259.65 205.86 90 top
NOREF#1671  -  []  381.2 290.39 90 top
NOREF#1672  -  []  394 217.36 0 top
NOREF#1673  -  []  375.73 199.18 90 top
NOREF#1674  -  []  369.38 257.11 0 top
NOREF#1675  -  []  216.96 252.14 0 top
NOREF#1676  -  []  351.34 181.37 0 top
NOREF#1677  -  []  339.33 265.56 0 top
NOREF#1678  -  []  271.34 189.5 0 top
NOREF#1679  -  []  199.59 243.9 90 top
NOREF#1680  -  []  278.6 147.38 0 top
NOREF#1681  -  []  317.66 164.74 0 top
NOREF#1682  -  []  309.51 247.93 0 top
NOREF#1683  -  []  118.7 222.88 0 top
NOREF#1684  -  []  182.57 240.28 90 top
NOREF#1685  -  []  332.51 264.35 90 top
NOREF#1686  -  []  122.41 178.64 0 top
NOREF#1687  -  []  273.95 155.38 0 top
NOREF#1688  -  []  303.84 288.86 0 top
NOREF#1689  -  []  369.63 273.11 0 top
NOREF#1690  -  []  378.33 209.11 0 top
NOREF#1691  -  []  201.23 241.43 90 top
NOREF#1692  -  []  242.23 173.13 90 top
NOREF#1693  -  []  251.38 223.52 90 top
NOREF#1694  -  []  221.56 250.49 0 top
NOREF#1695  -  []  249.85 224.74 0 top
NOREF#1696  -  []  298.16 248.49 0 top
NOREF#1697  -  []  36.1 131.91 0 top
NOREF#1698  -  []  199.33 240.28 90 top
NOREF#1699  -  []  272.25 183.59 90 top
NOREF#1700  -  []  309.51 189.2 0 top
NOREF#1701  -  []  331.62 205.55 0 top
NOREF#1702  -  []  201.23 192.32 90 top
NOREF#1703  -  []  373.32 181.42 90 top
NOREF#1704  -  []  199.59 158.5 90 top
NOREF#1705  -  []  167.7 159.65 0 top
NOREF#1706  -  []  472.86 210.36 90 top
NOREF#1707  -  []  209.23 232.37 90 top
NOREF#1708  -  []  201.23 200.54 0 top
NOREF#1709  -  []  337.9 246.35 90 top
NOREF#1710  -  []  199.33 199.39 0 top
NOREF#1711  -  []  192.47 148.38 90 top
NOREF#1712  -  []  225.83 204.31 0 top
NOREF#1713  -  []  373.32 164.66 90 top
NOREF#1714  -  []  309.05 271.67 0 top
NOREF#1715  -  []  116.27 178.64 0 top
NOREF#1716  -  []  475.04 195.66 0 top
NOREF#1717  -  []  257.9 246.35 90 top
NOREF#1718  -  []  465.81 214.96 0 top
NOREF#1719  -  []  252.51 265.56 0 top
NOREF#1720  -  []  251.54 252.73 90 top
NOREF#1721  -  []  390.69 289.12 0 top
NOREF#1722  -  []  251.86 252.43 90 top
NOREF#1723  -  []  310.43 254.01 0 top
NOREF#1724  -  []  184.47 151.68 90 top
NOREF#1725  -  []  397.3 209.36 0 top
NOREF#1726  -  []  366.88 222.7 0 top
NOREF#1727  -  []  230.43 194.01 0 top
NOREF#1728  -  []  240.94 151.63 90 top
NOREF#1729  -  []  253.4 205.55 0 top
NOREF#1730  -  []  511.59 257.36 90 top
NOREF#1731  -  []  83.77 247.51 90 top
NOREF#1732  -  []  337.9 246.99 0 top
NOREF#1733  -  []  310.43 248.88 90 top
NOREF#1734  -  []  175.7 141.67 90 top
NOREF#1735  -  []  338.11 288.86 0 top
NOREF#1736  -  []  417.2 171.64 0 top
NOREF#1737  -  []  453.84 222.5 0 top
NOREF#1738  -  []  104.18 191.95 90 top
NOREF#1739  -  []  340.83 174.63 90 top
NOREF#1740  -  []  200.98 255.15 90 top
NOREF#1741  -  []  263.14 270.2 90 top
NOREF#1742  -  []  334.61 265.86 90 top
NOREF#1743  -  []  462.06 291.28 90 top
NOREF#1744  -  []  263.2 172.26 90 top
NOREF#1745  -  []  381.86 129.99 0 top
NOREF#1746  -  []  390.53 188.15 0 top
NOREF#1747  -  []  248.61 290.13 90 top
NOREF#1748  -  []  192.47 236.67 90 top
NOREF#1749  -  []  392.04 289.12 90 top
NOREF#1750  -  []  412.62 289.12 0 top
NOREF#1751  -  []  221.56 179.06 0 top
NOREF#1752  -  []  471.11 230.2 0 top
NOREF#1753  -  []  352.25 241.69 0 top
NOREF#1754  -  []  167.7 149.48 90 top
NOREF#1755  -  []  352.93 288.86 90 top
NOREF#1756  -  []  330.51 288.86 0 top
NOREF#1757  -  []  332.51 265.56 90 top
NOREF#1758  -  []  379.01 288.67 90 top
NOREF#1759  -  []  100.98 195.15 0 top
NOREF#1760  -  []  192.47 232.37 90 top
NOREF#1761  -  []  184.47 219.75 90 top
NOREF#1762  -  []  271.34 243.91 0 top
NOREF#1763  -  []  405.93 240.56 90 top
NOREF#1764  -  []  398.65 233.11 0 top
NOREF#1765  -  []  262.36 165.04 90 top
NOREF#1766  -  []  199.59 171.96 0 top
NOREF#1767  -  []  302.92 147.32 90 top
NOREF#1768  -  []  304.82 146.05 0 top
NOREF#1769  -  []  418.37 273.42 90 top
NOREF#1770  -  []  465.31 186.77 0 top
NOREF#1771  -  []  209.23 202.99 90 top
NOREF#1772  -  []  501.87 273.87 90 top
NOREF#1773  -  []  402.06 217.61 0 top
NOREF#1774  -  []  324.65 288.86 0 top
NOREF#1775  -  []  297.41 213.24 0 top
NOREF#1776  -  []  308.36 202.16 45 top
NOREF#1777  -  []  177.33 160.4 90 top
NOREF#1778  -  []  334.61 264.65 90 top
NOREF#1779  -  []  238.3 164.74 90 top
NOREF#1780  -  []  403.41 209.61 0 top
NOREF#1781  -  []  167.7 256.5 90 top
NOREF#1782  -  []  275.82 296.86 0 top
NOREF#1783  -  []  405.5 289.12 90 top
NOREF#1784  -  []  352.25 242.96 0 top
NOREF#1785  -  []  410.52 241.11 0 top
NOREF#1786  -  []  385.93 144.98 0 top
NOREF#1787  -  []  386.53 164.91 90 top
NOREF#1788  -  []  373.87 188.15 0 top
NOREF#1789  -  []  251.62 265.56 90 top
NOREF#1790  -  []  199.33 199.39 90 top
NOREF#1791  -  []  463.61 171.53 0 top
NOREF#1792  -  []  263.83 171.63 90 top
NOREF#1793  -  []  310.73 247.93 0 top
NOREF#1794  -  []  272.55 243.91 0 top
NOREF#1795  -  []  215.96 188.49 0 top
NOREF#1796  -  []  326.43 288.41 90 top
NOREF#1797  -  []  271.31 288.86 0 top
NOREF#1798  -  []  380.59 239.21 0 top
NOREF#1799  -  []  331.54 192.73 90 top
NOREF#1800  -  []  276.4 147.38 0 top
NOREF#1801  -  []  448.94 276.41 90 top
NOREF#1802  -  []  118.96 179.19 0 top
NOREF#1803  -  []  326.23 173.13 0 top
NOREF#1804  -  []  312.46 131.69 90 top
NOREF#1805  -  []  94.93 190.55 0 top
NOREF#1806  -  []  329.85 224.72 0 top
NOREF#1807  -  []  409.43 139.89 0 top
NOREF#1808  -  []  263.63 163.82 90 top
NOREF#1809  -  []  251.94 265.86 90 top
NOREF#1810  -  []  230.73 189.2 0 top
NOREF#1811  -  []  182.82 230.19 90 top
NOREF#1812  -  []  119.7 238.84 0 top
NOREF#1813  -  []  327.89 204.35 90 top
NOREF#1814  -  []  230.43 183.09 0 top
NOREF#1815  -  []  249.28 163.82 90 top
NOREF#1816  -  []  336.45 164.72 0 top
NOREF#1817  -  []  301.56 250.49 0 top
NOREF#1818  -  []  108.27 178.64 0 top
NOREF#1819  -  []  313.94 286.96 90 top
NOREF#1820  -  []  182.57 226.57 0 top
NOREF#1821  -  []  390.53 163.64 0 top
NOREF#1822  -  []  116.27 171.02 0 top
NOREF#1823  -  []  401.89 180.15 0 top
NOREF#1824  -  []  175.7 216.45 90 top
NOREF#1825  -  []  294.94 296.86 0 top
NOREF#1826  -  []  188.08 289.11 90 top
NOREF#1827  -  []  234.7 286.71 90 top
NOREF#1828  -  []  166.06 243.9 90 top
NOREF#1829  -  []  184.47 214 90 top
NOREF#1830  -  []  327.57 204.65 90 top
NOREF#1831  -  []  295.96 177.06 0 top
NOREF#1832  -  []  262.68 223.52 90 top
NOREF#1833  -  []  301.34 286.96 0 top
NOREF#1834  -  []  237.83 257.63 0 top
NOREF#1835  -  []  175.7 195.52 90 top
NOREF#1836  -  []  259.33 265.56 0 top
NOREF#1837  -  []  209.49 164.3 90 top
NOREF#1838  -  []  175.8 160.9 90 top
NOREF#1839  -  []  184.47 244.98 90 top
NOREF#1840  -  []  273.5 148.65 90 top
NOREF#1841  -  []  399.99 181.42 90 top
NOREF#1842  -  []  333.4 204.35 90 top
NOREF#1843  -  []  351.34 242.64 0 top
NOREF#1844  -  []  266.74 272.1 0 top
NOREF#1845  -  []  301.56 182.89 0 top
NOREF#1846  -  []  419.9 288.57 90 top
NOREF#1847  -  []  201.23 247.18 90 top
NOREF#1848  -  []  379.48 222.7 90 top
NOREF#1849  -  []  118.7 195.7 0 top
NOREF#1850  -  []  352.25 182.96 0 top
NOREF#1851  -  []  451.68 214.96 0 top
NOREF#1852  -  []  396.55 225.11 0 top
NOREF#1853  -  []  303.56 233.86 90 top
NOREF#1854  -  []  192.47 202.99 90 top
NOREF#1855  -  []  201.23 215.35 90 top
NOREF#1856  -  []  201.23 214 90 top
NOREF#1857  -  []  292.74 288.86 0 top
NOREF#1858  -  []  251.38 164.74 90 top
NOREF#1859  -  []  384.36 131.89 0 top
NOREF#1860  -  []  298.16 237.06 0 top
NOREF#1861  -  []  340.61 286.96 90 top
NOREF#1862  -  []  343.98 288.86 0 top
NOREF#1863  -  []  211.11 146.93 90 top
NOREF#1864  -  []  367.73 290.39 90 top
NOREF#1865  -  []  339.65 204.65 90 top
NOREF#1866  -  []  332.83 264.65 90 top
NOREF#1867  -  []  419.22 257.37 90 top
NOREF#1868  -  []  230.41 188.88 90 top
NOREF#1869  -  []  222.11 252.14 0 top
NOREF#1870  -  []  354.27 138.37 90 top
NOREF#1871  -  []  495.08 257.36 90 top
NOREF#1872  -  []  310.41 187.61 90 top
NOREF#1873  -  []  242.23 233.13 0 top
NOREF#1874  -  []  329.6 223.52 90 top
NOREF#1875  -  []  461.96 166.93 0 top
NOREF#1876  -  []  449.99 174.46 0 top
NOREF#1877  -  []  230.43 188.88 90 top
NOREF#1878  -  []  168.69 276.04 90 top
NOREF#1879  -  []  241.82 167.13 90 top
NOREF#1880  -  []  261.63 255.43 90 top
NOREF#1881  -  []  230.41 247.61 90 top
NOREF#1882  -  []  424.98 146.33 90 top
NOREF#1883  -  []  391.8 209.36 0 top
NOREF#1884  -  []  118.74 210.19 90 top
NOREF#1885  -  []  201.21 292.55 90 top
NOREF#1886  -  []  450.03 166.93 0 top
NOREF#1887  -  []  343.31 164.74 0 top
NOREF#1888  -  []  310.41 243.09 90 top
NOREF#1889  -  []  339.33 205.55 0 top
NOREF#1890  -  []  229.05 211.67 0 top
NOREF#1891  -  []  250.73 265.56 90 top
NOREF#1892  -  []  460.89 174.46 90 top
NOREF#1893  -  []  229.21 243.09 0 top
NOREF#1894  -  []  312.25 271.67 90 top
NOREF#1895  -  []  334.81 296.86 0 top
NOREF#1896  -  []  201.23 186.57 0 top
NOREF#1897  -  []  415.1 163.64 0 top
NOREF#1898  -  []  410.52 289.12 0 top
NOREF#1899  -  []  372.72 161.49 0 top
NOREF#1900  -  []  351.04 245.5 0 top
NOREF#1901  -  []  272.25 189.18 90 top
NOREF#1902  -  []  273.81 286.96 90 top
NOREF#1903  -  []  210.6 255.9 90 top
NOREF#1904  -  []  387.08 154.88 0 top
NOREF#1905  -  []  472.86 217.98 90 top
NOREF#1906  -  []  331.94 265.86 90 top
NOREF#1907  -  []  450.03 191.31 0 top
NOREF#1908  -  []  201.49 146.18 90 top
NOREF#1909  -  []  118.7 217.73 90 top
NOREF#1910  -  []  192.57 256.4 90 top
NOREF#1911  -  []  312.67 146.1 90 top
NOREF#1912  -  []  398.53 144.98 90 top
NOREF#1913  -  []  419.47 273.37 90 top
NOREF#1914  -  []  380.59 271.21 0 top
NOREF#1915  -  []  199.59 145.03 90 top
NOREF#1916  -  []  396.55 225.11 0 top
NOREF#1917  -  []  310.43 253.37 90 top
NOREF#1918  -  []  239.33 236.03 90 top
NOREF#1919  -  []  167.7 201.89 90 top
NOREF#1920  -  []  463.11 230.2 0 top
NOREF#1921  -  []  351.04 244.23 0 top
NOREF#1922  -  []  346.27 135.17 90 top
NOREF#1923  -  []  312.42 146.05 0 top
NOREF#1924  -  []  251.05 265.86 90 top
NOREF#1925  -  []  249.28 225.04 90 top
NOREF#1926  -  []  406.95 131.44 90 top
NOREF#1927  -  []  419.47 289.12 90 top
NOREF#1928  -  []  184.47 174.46 90 top
NOREF#1929  -  []  251.22 253.63 0 top
NOREF#1930  -  []  277.17 288.86 0 top
NOREF#1931  -  []  235.4 289.88 90 top
NOREF#1932  -  []  167.7 200.54 90 top
NOREF#1933  -  []  379.73 287.22 90 top
NOREF#1934  -  []  410.52 273.37 0 top
NOREF#1935  -  []  409.49 180.15 0 top
NOREF#1936  -  []  230.83 224.63 0 top
NOREF#1937  -  []  327.57 205.86 90 top
NOREF#1938  -  []  194.09 228.47 90 top
NOREF#1939  -  []  459.24 175.86 0 top
NOREF#1940  -  []  263.71 288.86 0 top
NOREF#1941  -  []  303.56 185.29 90 top
NOREF#1942  -  []  328.33 247.93 0 top
NOREF#1943  -  []  242.23 173.13 0 top
NOREF#1944  -  []  475.36 127 90 top
NOREF#1945  -  []  272.8 157.28 0 top
NOREF#1946  -  []  378.75 224.15 90 top
NOREF#1947  -  []  511.59 291.28 90 top
NOREF#1948  -  []  309.51 187.93 0 top
NOREF#1949  -  []  368.28 281.11 0 top
NOREF#1950  -  []  215.96 177.06 0 top
NOREF#1951  -  []  272.25 184.23 0 top
NOREF#1952  -  []  396.55 257.37 0 top
NOREF#1953  -  []  351.34 185.18 0 top
NOREF#1954  -  []  252.83 264.65 90 top
NOREF#1955  -  []  201.23 219.75 90 top
NOREF#1956  -  []  110.47 171.02 0 top
NOREF#1957  -  []  381.2 274.38 90 top
NOREF#1958  -  []  257.08 132.19 90 top
NOREF#1959  -  []  172.08 289.11 90 top
NOREF#1960  -  []  333.33 241.33 90 top
NOREF#1961  -  []  378.75 240.56 90 top
NOREF#1962  -  []  375.22 180.15 0 top
NOREF#1963  -  []  271.04 182.96 0 top
NOREF#1964  -  []  166.06 216.47 90 top
NOREF#1965  -  []  226.85 211.67 0 top
NOREF#1966  -  []  385.19 297.12 0 top
NOREF#1967  -  []  175.7 202.99 90 top
NOREF#1968  -  []  175.8 228.97 90 top
NOREF#1969  -  []  329.28 225.04 90 top
NOREF#1970  -  []  449.99 217.9 0 top
NOREF#1971  -  []  119.7 238.84 0 top
NOREF#1972  -  []  234.7 298.51 0 top
NOREF#1973  -  []  385.19 265.11 0 top
NOREF#1974  -  []  399.39 161.74 0 top
NOREF#1975  -  []  321.82 167.13 90 top
NOREF#1976  -  []  394.66 226.38 90 top
NOREF#1977  -  []  309.21 183.09 0 top
NOREF#1978  -  []  199.33 185.42 0 top
NOREF#1979  -  []  343.63 225.04 90 top
NOREF#1980  -  []  390.34 192.28 0 top
NOREF#1981  -  []  253.4 205.56 0 top
NOREF#1982  -  []  232.25 271.67 90 top
NOREF#1983  -  []  272.25 249.82 0 top
NOREF#1984  -  []  342.04 164.74 0 top
NOREF#1985  -  []  400.85 281.11 0 top
NOREF#1986  -  []  263.19 135.19 0 top
NOREF#1987  -  []  250.18 182.88 0 top
NOREF#1988  -  []  230.43 253.37 90 top
NOREF#1989  -  []  396.55 273.11 0 top
NOREF#1990  -  []  295.96 237.06 0 top
NOREF#1991  -  []  451.64 222.5 0 top
NOREF#1992  -  []  209.59 174.36 90 top
NOREF#1993  -  []  230.43 253.37 90 top
NOREF#1994  -  []  259.59 145.09 0 top
NOREF#1995  -  []  262.36 225.04 90 top
NOREF#1996  -  []  330.73 205.55 0 top
NOREF#1997  -  []  199.59 189.04 90 top
NOREF#1998  -  []  318.3 163.52 90 top
NOREF#1999  -  []  408.63 242.38 90 top
NOREF#2000  -  []  528.1 257.36 90 top
NOREF#2001  -  []  309.51 186.66 0 top
NOREF#2002  -  []  353.35 288.41 90 top
NOREF#2003  -  []  201.23 200.54 90 top
NOREF#2004  -  []  381.74 249.11 0 top
NOREF#2005  -  []  451.68 195.91 0 top
NOREF#2006  -  []  322.23 233.13 0 top
NOREF#2007  -  []  371.48 265.11 0 top
NOREF#2008  -  []  317.98 223.82 90 top
NOREF#2009  -  []  237.57 269.63 90 top
NOREF#2010  -  []  253.72 264.65 90 top
NOREF#2011  -  []  165.8 240.28 90 top
NOREF#2012  -  []  285.71 280.1 0 top
NOREF#2013  -  []  501.87 276.41 90 top
NOREF#2014  -  []  168.13 132.17 90 top
NOREF#2015  -  []  339.65 264.65 90 top
NOREF#2016  -  []  230.43 187.61 0 top
NOREF#2017  -  []  209.33 242.68 90 top
NOREF#2018  -  []  167.7 136.27 90 top
NOREF#2019  -  []  397.38 180.15 90 top
NOREF#2020  -  []  396.28 180.2 90 top
NOREF#2021  -  []  408.63 274.64 90 top
NOREF#2022  -  []  230.41 243.09 90 top
NOREF#2023  -  []  272.24 249.18 90 top
NOREF#2024  -  []  127.7 231.22 0 top
NOREF#2025  -  []  103.93 235.64 90 top
NOREF#2026  -  []  184.47 247.18 90 top
NOREF#2027  -  []  414.82 281.37 0 top
NOREF#2028  -  []  342.08 290.13 90 top
NOREF#2029  -  []  383.09 224.85 0 top
NOREF#2030  -  []  451.68 186.77 0 top
NOREF#2031  -  []  338.36 288.91 90 top
NOREF#2032  -  []  249.85 164.72 0 top
NOREF#2033  -  []  188.08 291.65 90 top
NOREF#2034  -  []  240.83 254.63 0 top
NOREF#2035  -  []  167.7 214 0 top
NOREF#2036  -  []  209.33 187.82 90 top
NOREF#2037  -  []  518.38 292.92 90 top
NOREF#2038  -  []  383.83 209.11 0 top
NOREF#2039  -  []  352.25 183.59 90 top
NOREF#2040  -  []  106.76 222.88 0 top
NOREF#2041  -  []  175.7 222.95 90 top
NOREF#2042  -  []  184.89 186.02 90 top
NOREF#2043  -  []  310.43 189.52 0 top
NOREF#2044  -  []  127.95 187.53 0 top
NOREF#2045  -  []  371.73 281.11 0 top
NOREF#2046  -  []  398.65 273.11 0 top
NOREF#2047  -  []  351.34 249.5 0 top
NOREF#2048  -  []  262.09 143.19 0 top
NOREF#2049  -  []  329.6 163.52 90 top
NOREF#2050  -  []  379.73 271.21 90 top
NOREF#2051  -  []  263.83 231.63 90 top
NOREF#2052  -  []  184.47 258.7 90 top
NOREF#2053  -  []  167.7 176.66 90 top
NOREF#2054  -  []  354.27 131.87 90 top
NOREF#2055  -  []  192.47 177.76 90 top
NOREF#2056  -  []  403.99 180.15 0 top
NOREF#2057  -  []  297.83 174.63 90 top
NOREF#2058  -  []  110.47 178.64 0 top
NOREF#2059  -  []  511.59 273.87 90 top
NOREF#2060  -  []  209.49 150.83 90 top
NOREF#2061  -  []  405.93 272.56 90 top
NOREF#2062  -  []  398.65 265.37 0 top
NOREF#2063  -  []  392.47 288.57 90 top
NOREF#2064  -  []  250.73 205.56 0 top
NOREF#2065  -  []  201.21 276.04 90 top
NOREF#2066  -  []  333.72 265.86 90 top
NOREF#2067  -  []  396.55 241.11 0 top
NOREF#2068  -  []  118.33 289.48 90 top
NOREF#2069  -  []  383.09 273.11 0 top
NOREF#2070  -  []  310.73 246.66 0 top
NOREF#2071  -  []  346.27 135.17 90 top
NOREF#2072  -  []  194.09 146.68 90 top
NOREF#2073  -  []  309.05 211.67 0 top
NOREF#2074  -  []  304.65 271.67 0 top
NOREF#2075  -  []  96.33 238.84 0 top
NOREF#2076  -  []  221.56 171.46 0 top
NOREF#2077  -  []  305.94 288.86 0 top
NOREF#2078  -  []  251.62 265.56 0 top
NOREF#2079  -  []  309.51 183.41 0 top
NOREF#2080  -  []  107.76 238.84 0 top
NOREF#2081  -  []  343.95 163.52 90 top
NOREF#2082  -  []  235.85 296.61 0 top
NOREF#2083  -  []  405.93 288.67 90 top
NOREF#2084  -  []  420.15 131.44 90 top
NOREF#2085  -  []  373.73 207.21 0 top
NOREF#2086  -  []  259.65 204.65 90 top
NOREF#2087  -  []  249.15 296.86 0 top
NOREF#2088  -  []  201.66 199.99 90 top
NOREF#2089  -  []  334.29 205.56 0 top
NOREF#2090  -  []  471.11 186.77 0 top
NOREF#2091  -  []  301.56 231.46 0 top
NOREF#2092  -  []  394.66 290.39 90 top
NOREF#2093  -  []  406.52 131.89 90 top
NOREF#2094  -  []  367.13 271.21 0 top
